# Altium PCB 0.PCB1.PcbDoc (part 8 of 12)
Units mm, origin at the board's own origin, x right, y up, seen from the top; angles counter-clockwise.
Board outline 77 x 72 mm, 6 copper layers (Top Layer, Layer 1, Layer 3, Layer 4, Layer 2, Bottom Layer), stack 1.538 mm thick; 570 components, 490 nets, 3331 pads, 1909 vias.
Unrouted connection lines stored in the file: 2.
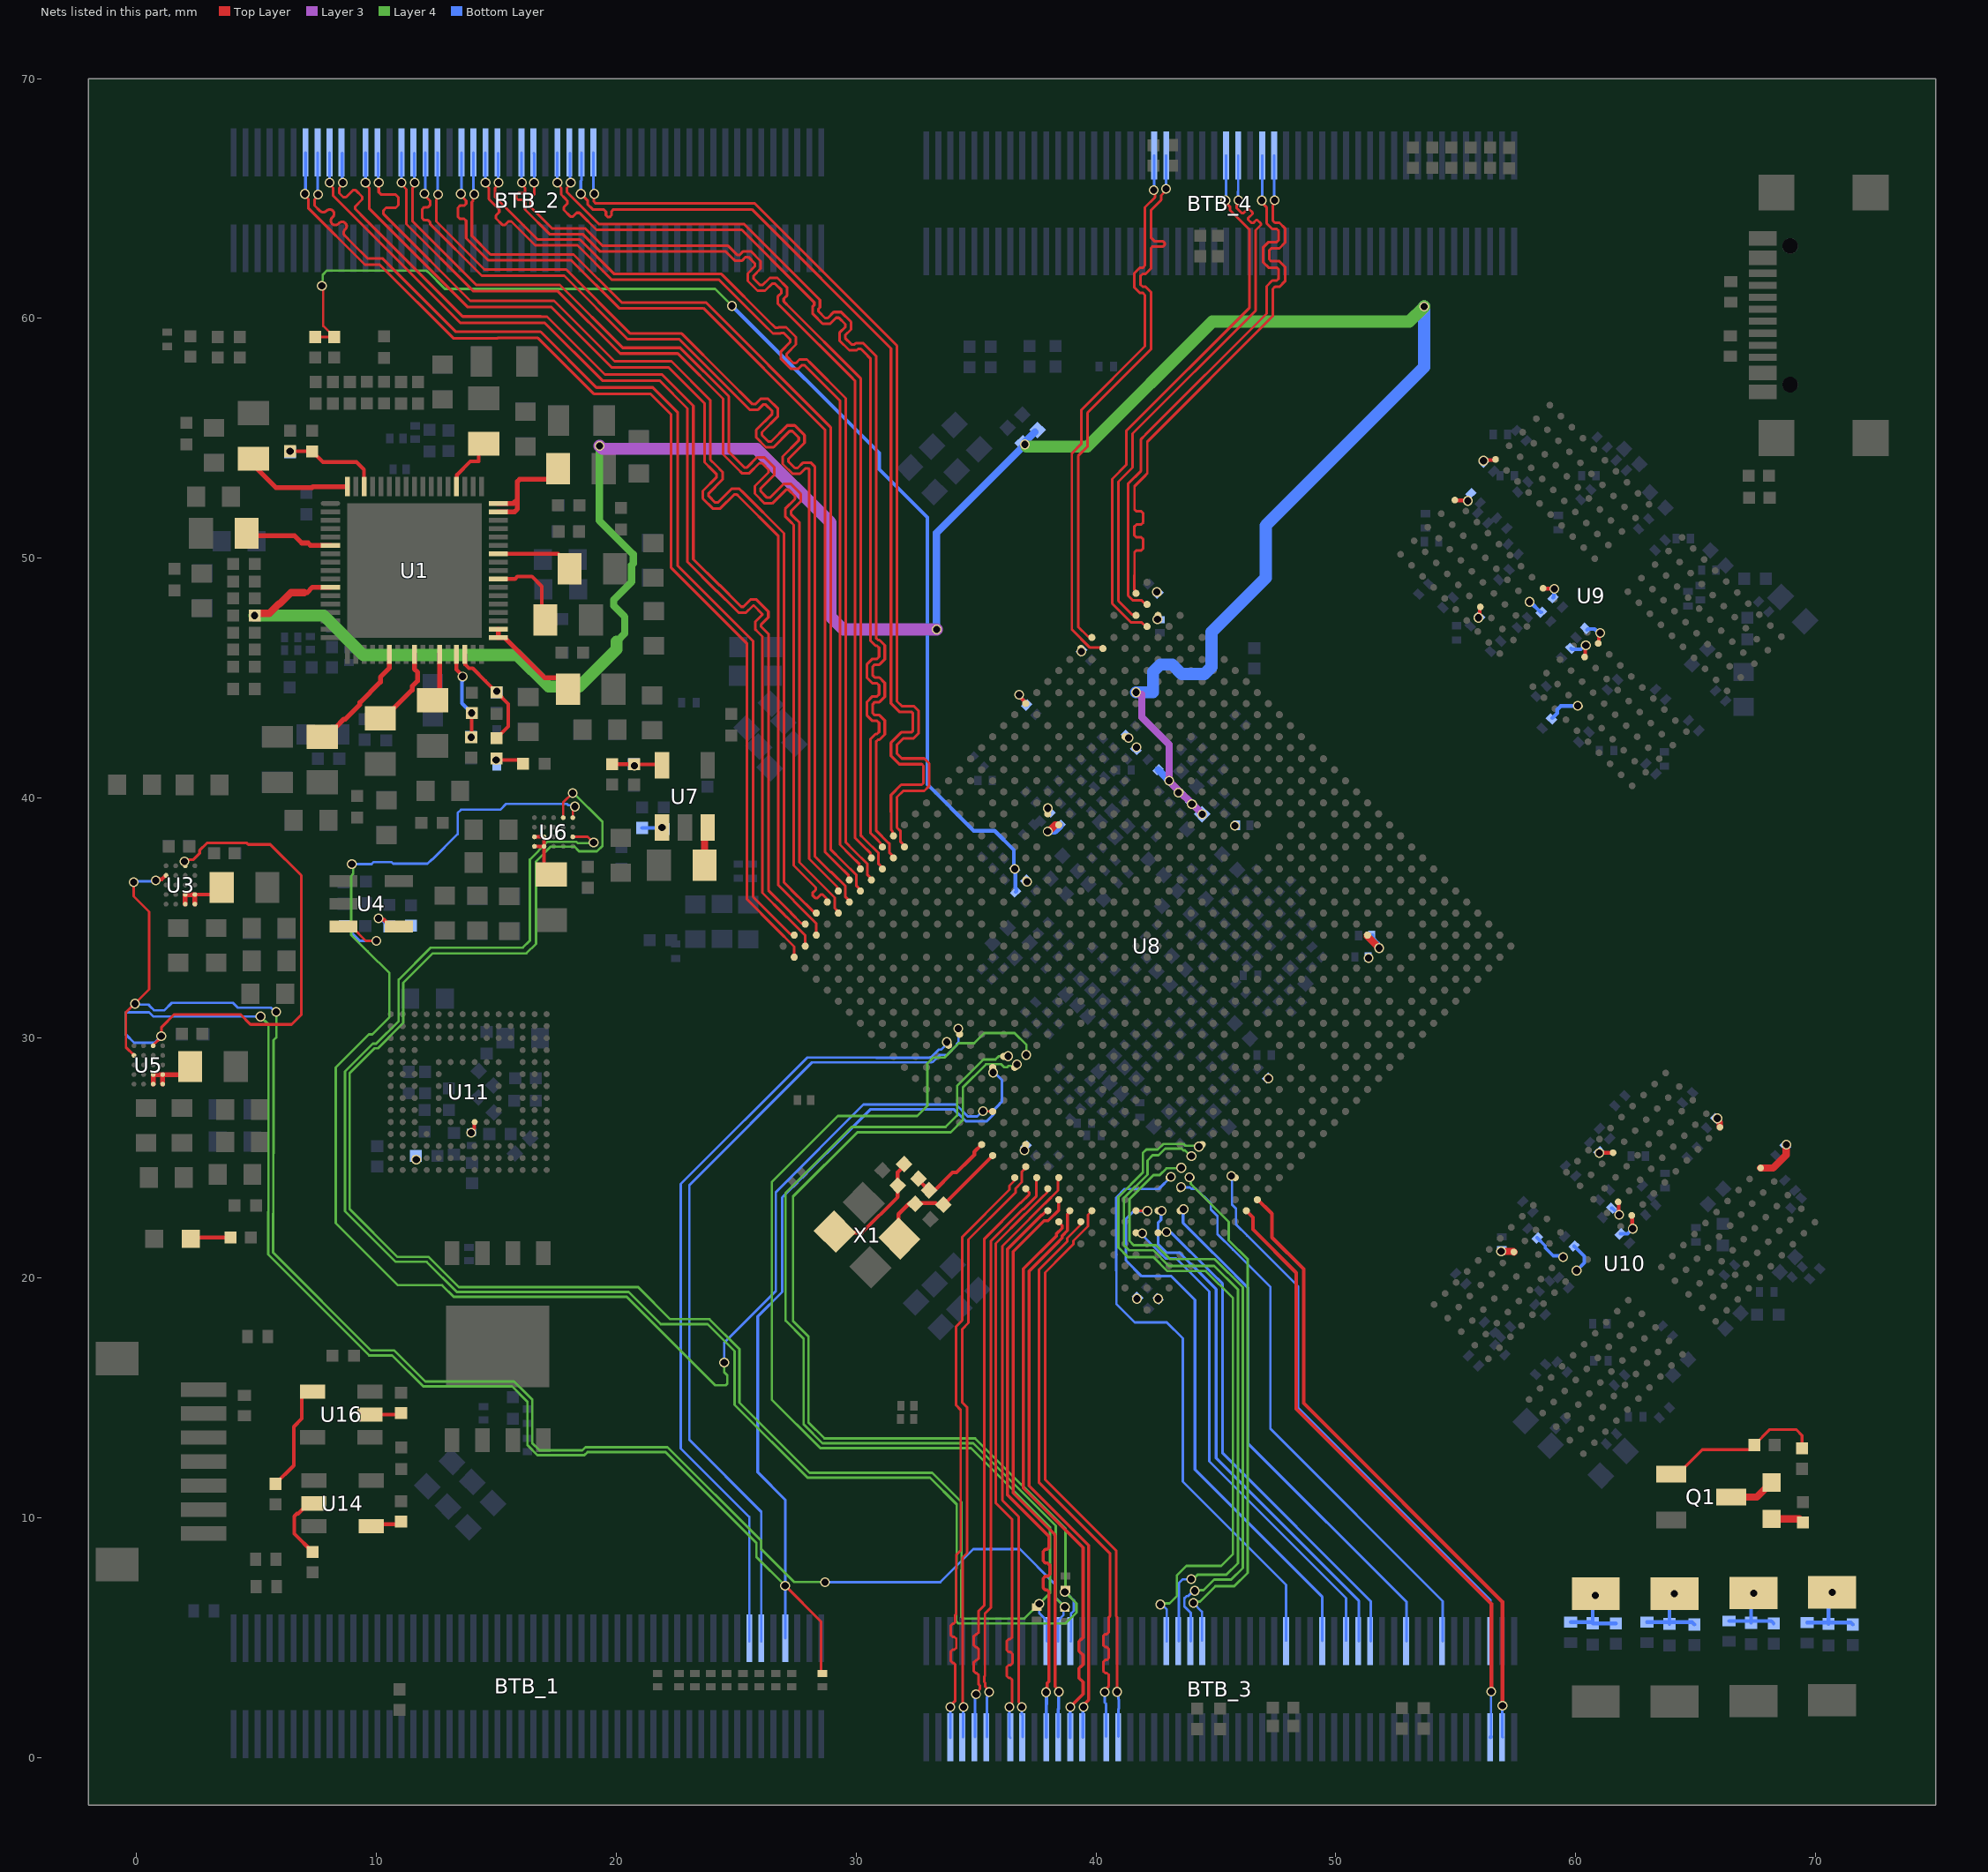
[diagram p12: the nets of this part, all layers, seen from the top]

## Via types
v1: diameter 0.41, hole 0.3, Top Layer to Bottom Layer, tented both sides, 1901 vias
v2: diameter 0.41, hole 0.3, Top Layer to Bottom Layer, 8 vias

## Nets (pads, with @x,y where several pads share a name; then routed paths per layer and width w, separated by ;. In a path a pad name is that pad's centre, name@x,y a point inside that pad or via, vN(x,y) a via of type N, cw(c..) or ccw(c..) an arc to the next point about the centre after c; other vN are vias at no path point) (continued)
HDMI_TX1_D2N: BTB_4.21 U8.AP6 | length 23.4
  Top Layer w0.109: U8.AP6@39.833,46.695 39.796,46.732 39.664,46.732 39.259,47.137 39.259,54.265 39.646,54.652 39.646,56.067 42.307,58.728 42.307,60.844 42.307,61.083 42.073,61.317 41.946,61.317 41.864,61.398 41.864,61.777 41.946,61.858 42.073,61.858 42.307,62.092 42.307,62.947 ; 42.313,62.952 42.364,63.003 42.803,63.003 42.861,63.06 42.861,63.151 42.803,63.208 42.453,63.208 42.307,63.354 42.307,64.523 42.722,64.939 42.722,65.126 42.924,65.327 v1(42.924,65.409)
  Bottom Layer w0.109: v1(42.924,65.409) 42.927,65.413 42.927,65.876 42.931,65.88 BTB_4.21@42.931,66.793
HDMI_TX1_D2P: BTB_4.20 U8.AN6 | length 23.4
  Top Layer w0.109: U8.AN6@40.292,46.235 40.256,46.271 39.755,46.271 38.997,47.029 38.997,54.373 39.385,54.76 39.385,56.175 42.046,58.836 42.046,60.844 42.046,60.975 41.964,61.056 41.837,61.056 41.603,61.29 41.603,61.885 41.837,62.119 41.964,62.119 42.046,62.2 42.046,62.947 42.046,64.632 42.461,65.047 42.461,65.306 v1(42.415,65.352)
  Bottom Layer w0.109: v1(42.415,65.352) 42.431,65.367 BTB_4.20@42.431,66.793
HDMI_TX1_D3N: BTB_4.27 U8.AN3 | length 23.4
  Top Layer w0.109: U8.AN3@41.671,47.614 41.635,47.65 41.51,47.65 40.941,48.218 40.941,53.191 41.528,53.778 41.528,55.193 46.656,60.322 46.656,62.977 46.656,63.677 46.877,63.898 46.877,63.959 46.735,64.101 46.674,64.101 46.552,63.979 46.491,63.979 46.35,64.121 46.35,64.182 46.525,64.357 46.525,64.418 46.383,64.56 46.322,64.56 46.163,64.401 46.073,64.401 46.025,64.449 45.861,64.613 45.861,64.706 45.889,64.734 45.889,64.863 v1(45.946,64.92)
  Bottom Layer w0.109: BTB_4.27@45.931,66.793 45.931,65.299 45.921,65.29 45.921,64.946 v1(45.946,64.92)
HDMI_TX1_D3P: BTB_4.26 U8.AM3 | length 23.3
  Top Layer w0.109: U8.AM3@42.126,47.16 42.074,47.16 41.917,47.317 41.469,47.317 40.677,48.109 40.677,48.631 40.677,53.301 41.263,53.887 41.263,55.303 46.392,60.432 46.392,63.709 45.597,64.504 45.597,64.643 45.395,64.845 v1(45.395,64.916)
  Bottom Layer w0.109: v1@45.431,64.952 45.421,64.962 45.421,65.497 45.431,65.507 BTB_4.26@45.431,66.793
HDMI_TX1_HPD_M0: BTB_3.48 U8.C24 | length 23.9
  Bottom Layer w0.102: v1(45.643,24.246) 45.675,24.214 45.675,23.051 45.839,22.887 45.839,22.225 46.311,21.753 48.419,19.645 48.419,14.577 56.455,6.542 BTB_3.48@56.455,4.843
HDMI_TX1_SBDN: BTB_4.30 U8.AP2 | length 23.4
  Top Layer w0.109: U8.AP2@41.671,48.533 41.634,48.57 41.634,48.666 41.608,48.693 41.608,49.298 41.609,49.299 41.609,49.653 41.609,50.248 41.69,50.329 41.893,50.329 41.974,50.41 41.974,50.789 41.893,50.87 41.688,50.87 41.607,50.951 41.607,51.329 41.688,51.411 41.893,51.411 41.974,51.492 41.974,51.87 41.893,51.951 41.69,51.951 41.609,52.032 41.609,52.446 41.609,53.001 42.071,53.462 42.071,53.466 42.143,53.538 42.143,54.858 47.379,60.094 47.379,60.295 47.379,61.232 47.461,61.313 47.649,61.313 47.885,61.549 47.885,62.146 47.649,62.382 47.309,62.382 47.228,62.463 47.228,62.841 47.309,62.923 47.649,62.923 47.885,63.158 47.885,63.756 47.649,63.992 47.461,63.992 47.379,64.073 47.379,64.334 47.379,64.613 47.377,64.616 47.377,64.706 47.389,64.718 47.389,64.863 v1(47.446,64.92)
  Bottom Layer w0.109: BTB_4.30@47.431,66.793 47.431,65.62 47.431,64.936 v1(47.446,64.92)
HDMI_TX1_SBDP: BTB_4.29 U8.AN2 | length 23.4
  Top Layer w0.109: U8.AN2@42.13,48.074 42.079,48.074 41.915,48.237 41.548,48.237 41.347,48.439 41.347,49.298 41.345,49.299 41.345,53.11 41.881,53.646 41.881,54.966 42.058,55.142 42.058,55.146 47.115,60.204 47.115,60.295 47.115,61.341 47.351,61.577 47.539,61.577 47.62,61.658 47.62,62.037 47.539,62.118 47.199,62.118 46.964,62.354 46.964,62.951 47.199,63.187 47.539,63.187 47.62,63.268 47.62,63.646 47.539,63.728 47.351,63.728 47.115,63.963 47.115,64.334 47.115,64.503 47.112,64.506 47.112,64.639 46.915,64.836 v1(46.915,64.916)
  Bottom Layer w0.109: v1(46.915,64.916) 46.931,64.932 46.931,65.413 BTB_4.29@46.931,66.793
HDMI_TX1_SCL_M0: BTB_1.45 U8.AB30 | length 34.6
  Bottom Layer w0.102: BTB_1.45@26.051,4.843 26.051,10.238 23.05,13.239 23.05,23.864 28.163,28.977 30.73,28.977 33.146,28.977 33.163,28.994 33.202,28.994 33.5,29.293 33.797,29.293 34.194,29.69 34.194,29.746 34.274,29.826 34.274,30.366 v1(34.259,30.381)
HDMI_TX1_SDA_M0: BTB_1.44 U8.AB31 | length 33.8
  Bottom Layer w0.102: BTB_1.44@25.551,4.843 25.551,10.026 22.697,12.881 22.697,23.909 27.968,29.181 30.527,29.181 30.838,29.181 30.848,29.17 33.066,29.17 33.083,29.187 33.122,29.187 33.444,29.509 33.544,29.509 33.786,29.751 v1(33.786,29.823)
HDMI_VDDA0V85_S0: C33.2 C256.2 C257.2 C260.2 C265.2 C266.2 C267.2 C270.2 U1.11 U8.AA9 U8.AB9 U8.AC9 U8.AD9 | length 108.9
  Top Layer w0.203: 6.993,48.563 7.117,48.563 7.343,48.789 U1.11@8.09,48.789
  Top Layer w0.305: v1(4.928,47.609) 5.026,47.707 5.543,47.707 5.935,48.099 5.975,48.099 6.439,48.563 6.993,48.563
  Layer 3 w0.305: v1(37.041,54.746) v1@37.061,54.726 ; v1(41.673,44.41) 41.69,44.41 41.777,44.323 41.909,44.323 41.909,43.372 43.05,42.232 v1(43.05,40.72) 43.05,40.712 44.427,39.335 v1(44.427,39.328)
  Layer 3 w0.508: v1(19.303,54.687) 19.43,54.56 25.864,54.56 28.93,51.494 28.93,47.575 29.471,47.034 v1(33.356,47.034)
  Layer 4 w0.305: v1(19.303,54.687) 19.298,54.682 19.298,51.574 20.711,50.161 20.711,49.781 20.644,49.715 20.644,49.02 19.896,48.271 19.896,48.019 20.23,47.684 ; 20.018,46.522 20.355,46.858 20.355,47.559 20.23,47.684
  Layer 4 w0.508: v1(4.928,47.609) 7.382,47.609 7.384,47.607 7.805,47.607 7.807,47.609 9.456,45.959 15.874,45.959 17.185,44.648 18.468,44.648 20.018,46.199 20.018,46.522 ; v1@37.101,54.654 39.641,54.654 44.851,59.863 53.062,59.863 53.682,60.482 v1(53.682,60.488)
  Bottom Layer w0.305: v1(33.356,47.034) 33.356,51.058 37.041,54.743 v1(37.041,54.746) ; v1(37.041,54.746) 37.04,54.844 C267.2@37.459,55.262 ; C266.2@42.59,41.18 v1(43.05,40.72)
  Bottom Layer w0.508: v1(41.673,44.41) 42.382,44.41 42.382,45.271 42.68,45.568 43.176,45.568 43.576,45.169 44.52,45.169 44.818,45.467 44.818,46.919 47.078,49.18 47.078,51.364 53.682,57.968 v1(53.682,60.488)
  other v1: 44.002,39.753 43.443,40.231
I2C0_SCL_M2: BTB_1.47 R44.2 U3.A3 U5.A3 U8.W30 | length 102.7
  Top Layer w0.114: U5.A3@0.699,29.671 0.699,29.695 1.034,30.029 v1(1.034,30.074) 1.049,30.09 1.049,30.451 1.577,30.978 4.335,30.978 4.754,30.559 6.472,30.559 6.875,30.962 6.875,36.771 5.581,38.065 4.664,38.065 4.605,38.123 2.94,38.123 2.636,37.819 2.636,37.691 2.381,37.436 2.157,37.436 2.075,37.355 v1(2.002,37.355) ; v1(27.045,7.161) 28.544,5.662 R44.2@28.544,3.452
  Top Layer w0.156: v1(2.002,37.355) 2.029,37.329 2.029,37.184 U3.A3@2.037,37.176
  Layer 4 w0.102: v1(5.176,30.889) 5.506,30.559 5.506,22.766 5.496,22.755 5.496,20.968 9.702,16.762 10.666,16.762 11.961,15.468 15.665,15.468 16.301,14.831 16.301,13.02 16.721,12.6 18.675,12.6 18.807,12.732 22.058,12.732 25.848,8.942 25.848,8.358 v1(27.045,7.161)
  Bottom Layer w0.102: v1(1.034,30.074) 1.034,30.073 0.762,29.801 -0.096,29.801 -0.434,30.139 -0.434,31.066 0.535,31.066 0.711,30.889 v1(5.176,30.889)
  Bottom Layer w0.114: v1(27.045,7.161) 27.051,7.155 BTB_1.47@27.051,4.97 ; v1@27.051,7.161 27.051,10.739 25.903,11.886 25.903,18.388 26.921,19.405 26.921,23.348 30.586,27.013 32.694,27.013 34.09,27.013 34.573,26.53 35.458,26.53 35.729,26.802 35.729,26.98 35.986,27.236 35.986,27.248 36.088,27.351 36.088,28.235 35.769,28.555 v1(35.71,28.555)
I2C0_SDA_M2: BTB_3.12 R43.2 U3.B1 U5.B1 U8.W29 | length 107.5
  Top Layer w0.102: v1(-0.112,36.493) -0.112,35.901 0.53,35.258 0.53,32.03 -0.434,31.066 -0.434,29.604 U5.B1@-0.101,29.271
  Top Layer w0.156: v1(0.806,36.56) 0.862,36.616 1.066,36.616 1.226,36.776 U3.B1@1.237,36.776
  Layer 4 w0.102: v1(5.834,31.082) 5.834,30.018 5.721,29.905 5.721,25.183 5.709,25.171 5.709,22.681 5.699,22.671 5.699,21.053 9.787,16.965 10.751,16.965 12.045,15.671 15.749,15.671 16.504,14.916 16.504,13.104 16.805,12.803 18.591,12.803 18.723,12.935 22.142,12.935 26.051,9.026 26.051,8.688 27.426,7.313 28.701,7.313 v1(28.709,7.305) ; v1(36.339,29.237) 35.955,29.237 35.813,29.095 35.314,29.095 34.212,27.993 34.212,26.763 33.733,26.284 33.423,26.284 29.809,26.284 27.063,23.539 27.063,18.21 27.816,17.457 27.816,13.883 28.599,13.099 34.881,13.099 38.327,9.653 38.327,6.648 v1(38.704,6.272)
  Bottom Layer w0.102: v1(-0.112,36.493) -0.079,36.526 0.772,36.526 v1(0.806,36.56) ; v1(-0.06,31.423) -0.06,31.387 0.501,31.387 0.592,31.296 0.736,31.152 1.169,31.152 1.478,31.461 4.025,31.461 4.228,31.258 5.61,31.258 5.785,31.082 v1(5.834,31.082) ; v1(28.709,7.305) 33.515,7.305 34.891,8.682 36.832,8.682 38.28,7.234 38.28,6.696 v1(38.704,6.272) 38.645,6.213 38.645,5.932 38.431,5.718 BTB_3.12@38.431,4.843
I2C1_SCL_M2: BTB_3.13 R41.2 U6.A3 U8.V29 | length 106.9
  Top Layer w0.102: U6.A3@18.193,38.384 18.809,38.384 19.049,38.144 v1(19.061,38.144)
  Layer 4 w0.102: v1(19.061,38.144) 19.041,38.123 18.394,38.123 18.338,38.179 17.144,38.179 16.4,37.435 16.4,34.054 16.111,33.765 12.273,33.765 10.934,32.426 10.934,30.7 9.993,29.76 9.854,29.76 8.698,28.603 8.698,22.77 10.806,20.662 12.1,20.662 13.359,19.403 20.524,19.403 21.86,18.067 23.809,18.067 24.937,16.94 24.937,14.703 27.98,11.66 33.087,11.66 34.198,10.548 34.198,7.902 34.181,7.884 34.181,5.663 34.258,5.586 38.734,5.586 39.186,6.038 39.186,6.425 v1@38.704,6.907 ; v1(36.703,28.892) 36.646,28.835 36.357,28.835 36.299,28.776 36.18,28.776 36.054,28.902 35.414,28.902 34.453,27.941 34.453,26.578 33.944,26.068 33.639,26.068 30.058,26.068 27.375,23.386 27.375,18.185 28.019,17.541 28.019,13.967 28.684,13.302 34.966,13.302 38.729,9.539 38.729,6.922 v1(38.704,6.897)
  Bottom Layer w0.102: v1(38.704,6.897) 38.739,6.897 39.081,6.555 39.081,6.115 38.961,5.995 38.961,4.848 BTB_3.13@38.955,4.843
I2C1_SDA_M2: BTB_3.11 R39.2 U6.B1 U8.V28 | length 110.2
  Top Layer w0.102: U6.B1@17.793,39.184 17.793,39.819 v1(18.181,40.206)
  Layer 4 w0.102: v1(18.181,40.206) 18.226,40.206 19.427,39.005 19.427,38.004 19.201,37.778 18.452,37.778 18.254,37.976 17.276,37.976 16.661,37.361 16.661,33.924 16.263,33.526 12.357,33.526 11.127,32.296 11.127,30.62 10.073,29.567 9.934,29.567 8.891,28.523 8.891,22.864 10.89,20.865 12.184,20.865 13.443,19.607 20.917,19.607 22.253,18.271 23.893,18.271 25.14,17.024 25.14,14.787 28.064,11.863 33.171,11.863 34.402,10.633 34.402,7.818 34.384,7.8 34.384,5.866 34.461,5.789 37.027,5.789 v1(37.637,6.399) 38.091,6.852 38.091,9.599 34.794,12.896 28.515,12.896 26.489,14.922 26.489,23.991 29.242,26.744 32.549,26.744 32.975,27.169 32.975,28.94 33.217,29.182 33.686,29.182 34.282,29.778 34.931,29.778 35.351,30.198 36.607,30.198 37.107,29.698 37.107,29.301 v1(37.097,29.29)
  Bottom Layer w0.102: v1(37.637,6.399) 37.637,6.011 37.955,5.693 BTB_3.11@37.955,4.843
I2C2_SCL_M4: BTB_3.53 U8.A25 | length 26.2
  Top Layer w0.156: U8.A25@46.267,22.795 46.544,22.517 46.544,22.016 48.353,20.207 48.353,14.535 56.484,6.404 v1(56.484,2.741)
  Bottom Layer w0.102: BTB_3.53@56.469,0.857 v1@56.469,2.727
  Bottom Layer w0.156: BTB_3.53@56.455,0.843 BTB_3.53@56.469,0.857 ; v1@56.469,2.727 v1(56.484,2.741)
I2C2_SDA_M4: BTB_3.52 U8.A24 | length 26.7
  Top Layer w0.156: U8.A24@46.727,23.255 46.755,23.255 47.284,22.726 47.342,22.667 47.342,21.679 48.661,20.361 48.661,14.768 56.946,6.482 v1(56.946,2.157)
  Bottom Layer w0.102: v1(56.946,2.157) 56.939,2.149 56.939,0.859 BTB_3.52@56.955,0.843
I2C5_SCL_M3: BTB_3.24 U8.E26 | length 22
  Layer 4 w0.102: v1(43.905,24.19) 43.953,24.142 43.953,23.908 45.536,22.324 45.536,21.562 46.324,20.775 46.324,7.694 45.765,7.135 44.978,7.135 44.34,6.498 44.117,6.498 v1(44.058,6.439)
  Bottom Layer w0.102: v1(44.058,6.439) 44.419,6.078 BTB_3.24@44.419,4.878
I2C5_SDA_M3: BTB_3.44 U8.E27 | length 23.8
  Bottom Layer w0.102: v1(43.543,23.781) 43.559,23.765 43.921,23.765 43.971,23.714 44.177,23.714 44.79,23.1 44.79,22.843 45.067,22.567 45.067,21.822 45.723,21.165 47.276,19.612 47.276,13.693 54.455,6.515 BTB_3.44@54.455,4.843
I2C7_SCL_M0: BTB_3.23 U8.F26 | length 26.5
  Layer 4 w0.102: v1(43.559,24.583) 43.538,24.562 42.938,24.562 42.656,24.28 42.399,24.28 41.396,23.277 41.396,21.537 41.574,21.359 42.501,21.359 43.085,20.775 44.952,20.775 46.121,19.607 46.121,7.897 45.638,7.415 44.927,7.415 44.485,6.972 44.15,6.972 v1(44.124,6.946)
  Bottom Layer w0.102: BTB_3.23@43.955,4.843 43.955,6.024 43.686,6.293 43.686,6.631 43.776,6.721 43.834,6.721 44.06,6.946 v1(44.124,6.946)
I2C7_SDA_M0: BTB_3.31 U8.F27 | length 24.8
  Bottom Layer w0.102: v1(43.133,24.211) 42.623,23.701 41.204,23.701 40.842,23.339 40.842,20.298 40.853,20.287 40.853,18.909 41.62,18.141 42.699,18.141 42.95,18.141 43.619,17.472 43.619,11.499 47.931,7.187 BTB_3.31@47.931,4.867
I2C8_SCL_M2: BTB_3.21 U8.F24 | length 29.3
  Layer 4 w0.102: v1(42.687,6.373) 42.738,6.425 43.073,6.425 43.377,6.729 43.377,7.592 43.771,7.986 45.219,7.986 45.714,8.481 45.714,19.149 44.586,20.277 42.986,20.277 42.4,20.863 41.333,20.863 40.939,21.258 40.939,23.366 41.955,24.382 41.955,25.195 42.107,25.347 42.577,25.347 42.804,25.574 43.655,25.574 43.723,25.506 44.259,25.506 v1(44.296,25.468)
  Bottom Layer w0.102: v1(42.687,6.373) 42.742,6.373 42.955,6.161 BTB_3.21@42.955,4.843
I2C8_SDA_M2: BTB_3.22 U8.F25 | length 28.3
  Layer 4 w0.102: v1(43.975,7.436) 44.059,7.436 44.241,7.618 45.435,7.618 45.917,8.1 45.917,19.505 44.927,20.496 43.041,20.496 42.391,21.146 41.381,21.146 41.168,21.359 41.168,23.321 42.148,24.302 42.148,24.889 42.363,25.104 42.607,25.104 42.884,25.381 43.575,25.381 43.643,25.313 43.715,25.313 43.952,25.076 v1(43.984,25.076)
  Bottom Layer w0.102: BTB_3.22@43.455,4.843 43.455,7.264 43.618,7.427 43.966,7.427 v1(43.975,7.436)
I2S0_LRCK: BTB_3.38 U8.D30 | length 20.7
  Bottom Layer w0.114: v1(42.942,21.902) 42.979,21.865 43.159,21.865 44.791,20.233 45.282,19.741 45.282,12.683 51.455,6.511 BTB_3.38@51.455,4.843
I2S0_MCLK: BTB_3.34 U8.F30 | length 23.2
  Top Layer w0.114: U8.F30@41.671,22.794 41.677,22.788 42.137,22.788 v1(42.144,22.781)
  Bottom Layer w0.114: v1(42.144,22.781) 41.584,22.781 41.251,22.449 41.251,20.717 41.907,20.061 43.142,20.061 43.881,19.323 44.129,19.074 44.129,12.004 49.431,6.703 BTB_3.34@49.431,4.867
I2S0_SCLK: BTB_3.36 U8.E31 | length 20.8
  Bottom Layer w0.102: v1(41.936,21.848) 41.936,21.773 42.909,20.8 43.352,20.8 44.724,19.429 44.724,12.342 50.431,6.635 BTB_3.36@50.431,4.867
I2S0_SDI0: BTB_3.41 U8.D28 | length 21.9
  Bottom Layer w0.114: v1(43.651,22.855) 43.633,22.837 43.633,22.286 44.567,21.352 44.57,21.352 45.24,20.682 46.342,19.581 46.342,13.089 52.955,6.475 BTB_3.41@52.955,4.843
I2S0_SDO0: BTB_3.37 U8.E29 | length 21.8
  Bottom Layer w0.114: v1(42.735,22.789) 42.714,22.767 42.714,22.41 42.588,22.284 42.588,21.403 42.947,21.044 43.49,21.044 44.546,19.988 45.011,19.523 45.011,12.479 50.955,6.535 BTB_3.37@50.955,4.843
MIPI_DPHY0_RX_CLKN: BTB_2.13 U8.AP31 | length 45.7
  Top Layer w0.112: v1(10.103,65.658) 10.103,65.636 10.103,65.266 10.212,65.158 10.813,65.158 10.922,65.049 10.922,64.722 10.813,64.614 10.41,64.614 10.301,64.505 10.301,64.351 10.638,64.013 13.922,60.73 17.411,60.73 19.931,58.21 22.306,58.21 23.929,56.587 23.929,54.104 24.162,53.871 24.433,53.6 24.433,53.283 23.855,52.706 23.855,52.59 24.125,52.321 24.24,52.321 24.817,52.898 25.134,52.898 25.296,52.737 26.994,51.039 26.994,36.482 27.576,35.899 27.588,35.899 28.2,35.288 28.207,35.288 28.29,35.204 U8.AP31@28.342,35.204
  Bottom Layer w0.112: v1@10.077,65.685 BTB_2.13@10.077,66.895
MIPI_DPHY0_RX_CLKP: BTB_2.12 U8.AN32 | length 45.7
  Top Layer w0.112: v1(9.552,65.658) 9.552,65.588 9.715,65.426 9.715,64.567 13.813,60.469 17.303,60.469 19.823,57.948 22.198,57.948 22.432,57.715 23.685,56.461 23.685,54.003 23.99,53.698 24.189,53.499 24.189,53.384 23.612,52.806 23.612,52.489 24.024,52.077 24.341,52.077 24.918,52.655 25.034,52.655 25.124,52.564 26.75,50.938 26.75,36.381 27.404,35.727 27.404,35.714 28.342,34.776 U8.AN32@28.342,34.285
  Bottom Layer w0.112: v1@9.551,65.659 BTB_2.12@9.551,66.92
MIPI_DPHY0_RX_D0N: BTB_2.17 U8.AP29 | length 45.8
  Top Layer w0.112: v1(12.01,65.2) 12.01,65.142 12.241,64.911 12.241,64.829 12.241,64.718 12.159,64.637 12,64.637 11.919,64.555 11.919,64.174 12,64.093 12.159,64.093 12.241,64.011 12.241,63.955 12.241,63.937 14.4,61.778 17.84,61.778 20.489,59.128 22.637,59.128 24.4,57.366 25.584,56.182 25.897,56.182 26.121,56.405 26.236,56.405 26.505,56.136 26.505,56.02 25.836,55.351 25.836,55.037 26.245,54.628 26.559,54.628 27.229,55.297 27.344,55.297 27.613,55.028 27.613,54.913 26.944,54.243 26.944,53.929 27.353,53.52 27.667,53.52 27.898,53.752 28.014,53.752 28.048,53.718 28.048,53.607 28.048,37.468 29.225,36.291 29.225,36.159 U8.AP29@29.261,36.123
  Bottom Layer w0.112: v1(12.01,65.2) 12.047,65.237 12.047,66.916 BTB_2.17@12.051,66.92
MIPI_DPHY0_RX_D0P: BTB_2.18 U8.AN29 | length 45.8
  Top Layer w0.112: v1(12.578,65.167) 12.521,65.11 12.521,64.971 12.502,64.953 12.502,64.045 14.508,62.039 17.917,62.039 20.589,59.368 22.736,59.368 24.569,57.535 25.683,56.421 25.798,56.421 26.022,56.644 26.335,56.644 26.745,56.235 26.745,55.921 26.075,55.252 26.075,55.136 26.344,54.867 26.46,54.867 27.129,55.537 27.443,55.537 27.853,55.127 27.853,54.814 27.183,54.144 27.183,54.029 27.452,53.759 27.568,53.759 27.799,53.991 28.113,53.991 28.272,53.832 28.287,53.817 28.287,37.567 28.946,36.908 28.975,36.908 29.559,36.325 29.559,35.877 29.721,35.715 U8.AN29@29.721,35.664
  Bottom Layer w0.112: v1@12.555,65.19 12.551,65.194 12.551,66.912 BTB_2.18@12.555,66.916
MIPI_DPHY0_RX_D1N: BTB_2.15 U8.AP30 | length 45.8
  Top Layer w0.112: v1(11.052,65.658) 11.052,65.588 11.255,65.385 11.255,63.933 14.057,61.131 17.575,61.131 20.172,58.534 22.57,58.534 24.456,56.647 24.456,54.334 25.082,53.709 25.241,53.549 25.555,53.549 25.967,53.961 26.082,53.961 26.351,53.692 26.351,53.576 25.782,53.007 25.782,52.693 26.191,52.284 26.505,52.284 27.074,52.853 27.19,52.853 27.459,52.584 27.459,52.469 27.047,52.057 27.047,51.743 27.283,51.508 27.398,51.393 27.398,37.189 28.318,36.269 28.318,36.176 28.185,36.042 28.185,35.949 28.298,35.837 28.391,35.837 28.524,35.97 28.617,35.97 28.765,35.822 28.765,35.7 U8.AP30@28.801,35.664
  Bottom Layer w0.112: v1@11.051,65.659 BTB_2.15@11.051,66.92
MIPI_DPHY0_RX_D1P: BTB_2.16 U8.AN30 | length 45.8
  Top Layer w0.112: v1(11.603,65.658) 11.546,65.601 11.546,65.473 11.517,65.443 11.517,64.041 14.165,61.392 17.652,61.392 20.271,58.773 22.669,58.773 24.696,56.746 24.696,54.433 25.251,53.878 25.34,53.789 25.456,53.789 25.867,54.2 26.181,54.2 26.591,53.791 26.591,53.477 26.021,52.908 26.021,52.792 26.29,52.523 26.405,52.523 26.975,53.093 27.289,53.093 27.698,52.683 27.698,52.369 27.287,51.958 27.287,51.842 27.452,51.677 27.637,51.492 27.637,37.32 29.11,35.846 29.11,35.407 29.174,35.343 ; 29.174,35.342 29.261,35.255 U8.AN30@29.261,35.204
  Bottom Layer w0.112: v1@11.577,65.685 BTB_2.16@11.577,66.895
MIPI_DPHY0_RX_D2N: BTB_2.10 U8.AP32 | length 45.8
  Top Layer w0.112: v1(8.603,65.658) 8.603,65.588 8.458,65.444 8.458,65.439 8.458,65.222 8.624,65.056 8.739,65.056 9.028,65.344 9.143,65.344 9.412,65.075 9.412,64.959 9.124,64.671 9.124,64.556 9.549,64.131 13.601,60.079 16.857,60.079 16.864,60.072 17.117,60.072 19.529,57.66 21.911,57.66 23.218,56.353 23.218,49.955 24.299,48.874 24.318,48.874 25.121,48.071 25.213,47.979 25.306,47.979 25.602,48.275 25.849,48.275 26.343,47.781 26.343,47.533 26.047,47.237 26.047,47.144 26.093,47.098 26.185,47.006 26.347,46.844 26.347,36.156 27.204,35.299 27.21,35.299 27.278,35.231 27.278,35.216 27.713,34.781 27.846,34.781 U8.AP32@27.882,34.745